# KiCad board Mainboard.kicad_pcb (continued)
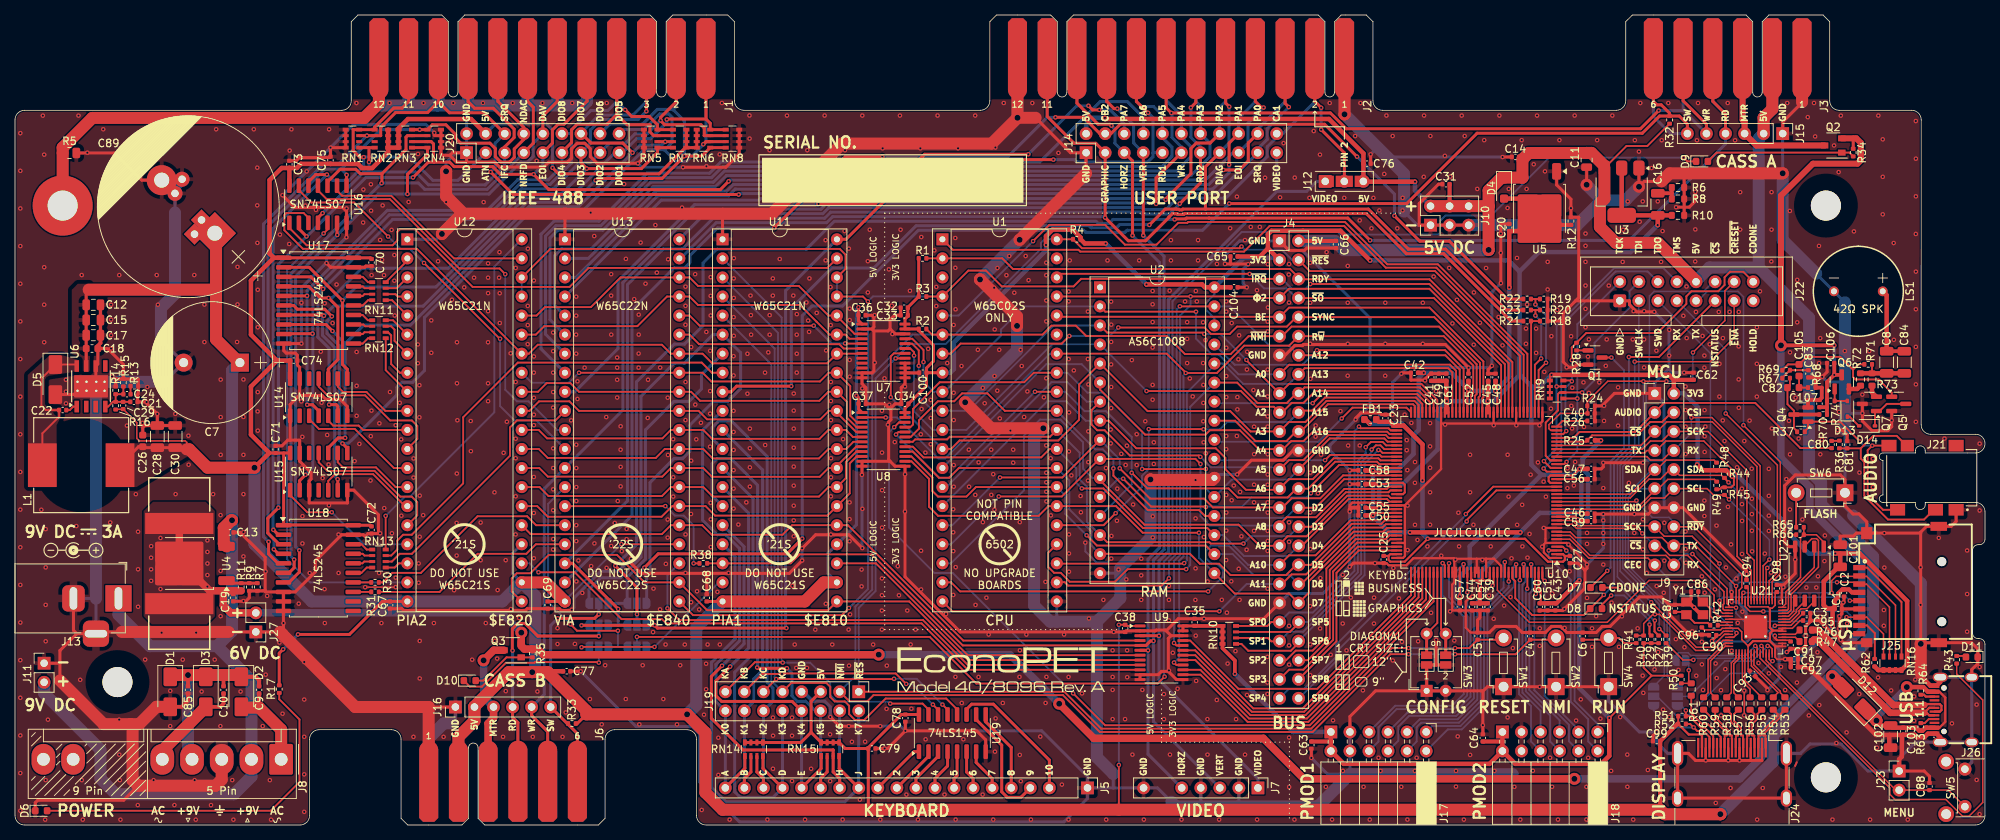
[diagram p0: board, top side]
## Routing (per net, layer and track width the routed paths; a pad name or vN(x,y) marks a point on that pad's centre or on a via; arc(x,y) is an arc through that point) (continued)
/CASS/CASS1_READ: length 142.3
  Top w0.4: v1(102.79,26.24) 85.61,26.24 v1(85.24,26.61) 85.23,26.6 v1(75.49,26.6) ; U11.40 110.72,78.05 121.35,88.67 v1(138.36,88.67) ; J2.8 149.43,96.43 150.94,94.92 v1(150.99,94.92)
  Bottom w0.4: U11.40 102.68,71.21 102.68,26.35 v1(102.79,26.24) ; v1(85.24,26.61) 85.22,26.63 JP3.1 ; JP4.3 75.52,26.63 v1(75.49,26.6) ; v1(150.99,94.92) 151.63,94.27 151.63,89.6 ; 151.63,89.6 J14.9 ; 151.63,89.6 151.63,89.06 151.09,88.52 151.09,88.52 150.94,88.37 150.88,88.37 150.86,88.35 141.47,88.35 141.47,88.36 141.46,88.36 141.15,88.67 v1(138.36,88.67)
/CASS/CASS2_READ: length 150.3
  Top w0.4: v1(155.2,82.81) 155.18,82.79 155.18,82.78 157.96,85.56 J14.13 ; v1(156.68,95.61) 157.35,96.29 J2.6 ; U13.18 74.3,34.87 v1(80.38,28.79)
  Bottom w0.4: v1(156.68,95.61) 156.68,91.65 157.96,90.36 J14.13 ; 80.33,26.63 JP3.3 ; 80.33,26.63 80.38,26.68 v1(80.38,28.79) ; 80.33,26.63 JP4.1 ; U13.18 81.61,43.2 81.61,72.01 86.38,76.78 88.94,76.78 93.03,80.87 107.89,80.87 108.69,81.67 149.96,81.67 150.21,81.42 153.81,81.42 v1(155.2,82.81)
/CASS/CASS_A_MOTOR: length 23.2
  Top w0.8: J3.3,C 230.2,93.96 230.46,93.7 J15.3 232.05,90.56 Q2.3
  Bottom w0.8: J15.3 230.46,93.7 230.2,93.96 230.2,97.52 230.2,97.52 J3.3,C
/CASS/CASS_A_READ: length 215.1
  Top w0.4: v1(154.52,80.71) 154.58,80.77 155.99,80.77 156.1,80.89 159.12,80.89 177.59,80.89 v1(180.56,77.92) ; v1(79.99,34.54) 82.88,31.65 v1(82.88,28.09) ; J15.4 227.92,94.75 226.24,96.44 J3.4,D
  Bottom w0.4: J3.4,D 226.24,96.44 227.92,94.75 J15.4 227.92,90.76 215.08,77.92 v1(180.56,77.92) ; v1(82.88,28.09) 82.87,28.09 JP3.2 ; v1(154.52,80.71) 146.31,80.71 145.79,80.19 144.31,80.19 144.04,80.46 109.18,80.46 105.45,76.73 93.52,76.73 91.69,74.9 91.69,66.55 89.23,64.09 87.84,64.09 82.81,59.06 82.81,37.36 v1(79.99,34.54)
/CASS/CASS_A_~{MOTOR}: length 204.3
  Top w0.25: v1(153.18,19.77) 152.27,18.86 128.09,18.86 121.88,25.07 v1(82.87,25.07) ; v1(222.34,88.94) 222.84,88.44 D9.1
  Bottom w0.25: v1(82.87,25.07) JP5.2 ; v1(222.34,88.94) 204.42,88.94 196.69,81.21 190.6,81.21 189.89,80.5 189.89,78.94 189.63,78.69 176.58,78.69 176.23,79.03 163.46,79.03 154.23,69.81 154.23,36.25 153.08,35.09 153.08,19.87 v1(153.18,19.77)
/CASS/CASS_A_~{SWITCH}: length 202.2
  Top w0.4: J15.6 222.84,93.4 221.76,94.48 R32.2 ; v1(161.8,82.82) 185.45,82.82 194.82,92.19 216.84,92.19 219.13,94.48 R32.2 ; J3.6,F 218.31,96.44 218.78,95.98 219.36,95.98 220.47,94.86 R32.2 ; v1(83.87,34.3) 85.71,36.14 102.88,36.14 v1(104.9,38.16)
  Bottom w0.4: J3.6,F 218.31,94.44 220.6,92.15 J15.6 ; v1(83.87,34.3) 82.87,33.31 JP1.2 ; v1(104.9,38.16) 104.9,67.86 106.2,69.16 110.28,69.16 120.38,79.26 142.41,79.26 142.68,78.99 147.92,78.99 148.19,79.27 158.24,79.27 v1(161.8,82.82)
/CASS/CASS_B_MOTOR: length 22.2
  Top w1: Q3.3 63.79,23.29 v2(62.44,21.94) ; J16.3 63.76,14.25 63.04,13.53 63.04,9.97 J6.3,C
  Bottom w1: J6.3,C 63.04,9.97 63.04,13.53 63.76,14.25 J16.3 62.44,17.05 v2(62.44,21.94)
/CASS/CASS_B_READ: length 36.5
  Top w0.4: J6.4,D 67.01,9.97 67.01,13.64 66.3,14.35 J16.4 ; v1(66.3,23.24) 66.27,23.27 66.27,26.14 67,26.87 67.97,26.87 69.66,25.18 77.78,25.18 v1(77.79,25.17)
  Bottom w0.4: JP4.2 v1(77.79,25.17) ; J6.4,D 67.01,13.64 66.3,14.35 J16.4 v1(66.3,23.24)
/CASS/CASS_B_~{MOTOR}: length 21.8
  Top w0.25: D10.1 60.61,18.44 62.22,18.44 65.4,21.62 69.22,21.62 69.31,21.71 77.72,21.71 v1(77.79,21.64)
  Bottom w0.25: JP6.2 v1(77.79,21.64)
/CASS/CASS_B_~{SWITCH}: length 33.9
  Top w0.4: v1(72.33,27.55) 72.34,27.54 77.24,27.54 v1(77.79,28.09) ; J6.6,F 74.94,12.17 73.7,13.41 R33.2 73.59,13.52 71.38,15.72 J16.6
  Bottom w0.4: JP2.2 77.79,28.09 v1(77.79,28.09) ; v1(72.33,27.55) 71.38,26.6 J16.6 71.38,15.72 74.94,12.17 J6.6,F
/CASS/CASS_WRITE: length 252.2
  Top w0.4: v1(152.05,82.77) 152.05,86.22 J14.11 ; J3.5,E 222.28,96.51 225.38,93.4 J15.5 ; v1(219.01,95.21) 216.59,92.79 177.38,92.79 175.28,94.89 154.09,94.89 v1(154.09,94.89) 153.39,95.59 J2.7 ; J6.5,E 70.97,12.45 68.84,14.59 J16.5
  Bottom w0.4: v1(152.05,82.77) 151.94,82.88 108.2,82.88 107.39,82.07 90.78,82.07 81,72.28 81,55.29 U13.13 70.52,44.81 70.52,17.4 J16.5 68.84,14.59 70.97,12.45 70.97,10.36 J6.5,E ; 222.28,95.26 222.23,95.21 v1(219.01,95.21) ; 222.28,95.26 J15.5 ; 222.28,95.26 J3.5,E ; J14.11 155.42,90.37 154.16,91.63 154.16,94.82 v1(154.09,94.89)
/CASS/~{CASS1_MOTOR}: length 24.4
  Top w0.25: v1(75.49,23.69) 75.54,23.74 v1(85.21,23.74)
  Bottom w0.25: v1(75.49,23.69) 75.51,23.71 JP6.3 ; U11.19 93.8,32.33 v1(85.21,23.74) 85.18,23.71 JP5.1
/CASS/~{CASS1_SWITCH}: length 90
  Bottom w0.4: JP2.3 76.49,31.41 78.04,32.95 80.67,32.95 83.41,35.69 83.41,57.14 87.81,61.54 89.19,61.54 93,65.35 U11.6 96.69,62.94 96.69,58.17 94.98,56.46 93.08,56.46 89.92,53.3 89.92,49.8 88.96,48.84 87.83,48.84 84.62,45.63 84.62,33.62 84.17,33.18 JP1.1
/CASS/~{CASS2_MOTOR}: length 31.8
  Top w0.25: v1(80.33,25.89) 74.88,25.89 v1(74.01,26.76)
  Bottom w0.25: v1(74.01,26.76) 71.04,29.72 71.04,42.8 U13.14 ; JP6.1 80.32,23.71 ; 80.32,23.71 JP5.3 ; 80.32,23.71 80.33,23.73 v1(80.33,25.89)
/CASS/~{CASS2_SWITCH}: length 42.2
  Bottom w0.4: JP2.1 JP1.3 81.57,33.01 84.01,35.44 84.01,52.66 87.81,56.46 89.8,56.46 91.47,58.12 91.47,60 U11.7
/CPU \ RAM/A0: length 96.3
  Top w0.25: J4.15 169.76,61.33 185.46,61.33 185.47,61.35 191.21,61.35 192.02,60.54 192.02,55.01 ; U2.2 145.28,68.41 v1(157.37,68.41) ; v1(121.06,61.69) 121.06,63.31 119.56,64.8 U7.21
  Bottom w0.25: v1(121.06,61.69) 121.06,59.07 122.39,57.74 U1.9 123.88,57.74 131.38,65.23 131.38,66.03 134.46,69.12 U2.2 ; J4.15 163.03,60.07 160.39,62.7 159.48,62.7 157.37,64.82 v1(157.37,68.41)
/CPU \ RAM/A1: length 89.8
  Top w0.25: v1(164.09,61.98) 164.09,61.94 J4.17 169.74,58.77 187.41,58.77 189.52,56.66 189.52,55.01 ; v1(158.48,65.44) 158.3,65.62 145.53,65.62 U2.3 ; v1(120.43,61.2) 120.43,63.25 119.53,64.15 U7.20
  Bottom w0.25: v1(158.48,65.44) 160.63,65.44 v1(164.09,61.98) ; U2.3 138.44,66.58 127.06,55.2 U1.10 122.33,55.2 120.43,57.1 v1(120.43,61.2)
/CPU \ RAM/A2: length 90.7
  Top w0.25: v1(119.8,62.56) 119.8,63 119.3,63.5 U7.19 ; 188.52,55.01 188.52,56.38 187.04,57.87 173.31,57.87 171.69,56.26 170.12,56.26 168.85,54.99 J4.19 167.74,55.74 165.44,55.74 163.35,57.83 v1(150.78,57.83)
  Bottom w0.25: v1(150.78,57.83) 150.78,57.84 U2.4 144.54,64.07 138.19,64.07 126.77,52.66 U1.11 122.27,52.66 119.78,55.15 119.78,62.54 v1(119.8,62.56)
/CPU \ RAM/A3: length 94.8
  Top w0.25: 187.02,55.01 187.02,55.98 186.48,56.52 174.76,56.52 171.95,53.71 169.76,53.71 J4.21 164.65,52.45 161.93,55.16 150.91,55.16 144.58,61.5 141.79,58.71 141.79,54.01 139.02,51.24 125.86,51.24 124.73,50.12 U1.12 ; U7.18 117.1,62.85 116.69,62.44 v1(116.69,57.01)
  Bottom w0.25: U1.12 116.69,57.01 v1(116.69,57.01)
/CPU \ RAM/A4: length 73.2
  Top w0.25: 184.1,52.09 183.16,52.09 182.84,52.42 172.95,52.42 171.71,51.17 170.06,51.17 168.8,49.91 J4.23 168.31,50.09 165.73,50.09 163.21,52.61 159.22,52.61 158.63,52.03 150.58,52.03 144.58,58.03 U2.6
  Bottom w0.25: U1.13 137.41,61.41 142.13,61.41 U2.6
/CPU \ RAM/A5: length 76.6
  Top w0.25: v1(157.95,49.06) 157.76,49.25 148.55,49.25 145.19,52.61 144.2,52.61 143.44,53.37 143.44,55.28 U2.7 ; 184.1,51.59 183.03,51.59 182.65,51.97 175,51.97 171.67,48.64 169.77,48.64 168.5,47.37
  Bottom w0.25: U2.7 142.82,56.42 140.21,59.02 138.1,59.02 124.12,45.04 U1.14 ; 168.5,47.37 168.19,47.67 159.35,47.67 157.96,49.06 v1(157.95,49.06)
/CPU \ RAM/A6: length 73.9
  Top w0.25: 184.1,48.59 181.94,48.59 181.67,48.87 175.71,48.87 172.94,46.1 169.77,46.1 J4.27 168.35,44.67 164.02,44.67 161.28,47.41 161.28,48.92 160,50.21 149.4,50.21 145.74,53.88 U2.8
  Bottom w0.25: U1.15 137.55,56.47 140.08,56.47 142.67,53.88 U2.8
/CPU \ RAM/A7: length 71.5
  Top w0.25: 184.1,46.59 176.97,46.59 173.92,43.54 170.11,43.54 168.85,42.29 J4.29 168.46,42.32 159.62,42.32 158.44,43.5 151.24,43.5 v1(147.21,47.53) ; v1(131.25,46.31) 139.55,46.31 U2.9
  Bottom w0.25: U2.9 147.21,48.71 v1(147.21,47.53) ; U1.16 124.89,39.96 v1(131.25,46.31)
/CPU \ RAM/A8: length 75.5
  Top w0.25: J4.31 168.5,40.07 169.45,41.02 173.38,41.02 177.15,44.79 182.79,44.79 183.09,45.09 184.1,45.09 ; v1(157.97,48.12) 157.29,48.8 U2.10 144.5,48.8 139.49,43.78 v1(131.09,43.78)
  Bottom w0.25: v1(157.97,48.12) 157.97,41.16 159.23,39.9 168.34,39.9 J4.31 ; v1(131.09,43.78) 124.72,37.42 U1.17
/CPU \ RAM/A9: length 85
  Top w0.25: U2.11 144.58,45.94 150.49,40.03 163.03,40.03 165.85,37.21 168.5,37.21 168.5,37.4 169.57,38.48 172.11,38.48 177.52,43.89 183,43.89 183.3,43.59 184.1,43.59
  Bottom w0.25: U1.18 124.72,34.88 134.43,44.58 134.43,51.88 136.58,54.03 139.3,54.03 142.32,51.01 142.32,47.49 143.55,46.26 U2.11
/CPU \ RAM/A10: length 72.9
  Top w0.25: v1(158.99,31.13) 125.94,31.13 124.73,32.34 U1.19 ; J4.35 169.77,35.94 173.3,35.94 177.95,40.59 181.88,40.59 182.38,41.09 184.1,41.09
  Bottom w0.25: v1(158.99,31.13) 160.94,33.09 160.94,34.03 160.14,34.83 159.42,34.83 158.69,35.56 158.69,36.57 159.35,37.23 161.76,37.23 164.32,34.67 J4.35
/CPU \ RAM/A11: length 65.9
  Top w0.25: 184.1,40.09 182.65,40.09 182.2,39.64 178.28,39.64 172.04,33.4 170.1,33.4 168.83,32.13 J4.37 ; v1(160.47,28.49) 124.89,28.49 U1.20
  Bottom w0.25: J4.37 164.11,32.13 v1(160.47,28.49)
/CPU \ RAM/A12: length 98.9
  Top w0.25: U2.31 155.23,69.12 v1(155.22,69.13) ; v1(153.76,32.87) 152.79,31.9 140.33,31.9 139.86,32.37 138.85,32.37 U1.22 ; 192.52,55.01 192.51,55.02 192.51,60.68 190.59,62.61 171.04,62.61
  Bottom w0.25: v1(155.22,69.13) 154.8,68.71 154.8,36.17 153.76,35.14 v1(153.76,32.87) ; 171.04,62.61 171.02,62.61 169.75,63.88 167.15,63.88 161.91,69.12 U2.31
/CPU \ RAM/A13: length 84.6
  Top w0.25: v1(155.79,34.9) 155.72,34.83 138.86,34.83 U1.23 ; 191.52,55.01 191.52,60.32 190.96,60.88 187.98,60.88 187.98,60.89 187.3,60.89 187.29,60.9 185.66,60.9 185.65,60.88 171.85,60.88 J4.16
  Bottom w0.25: v1(155.79,34.9) 156.15,35.26 156.15,57.62 160.03,61.5 ; J4.16 169.76,58.79 163.65,58.79 160.94,61.5 160.03,61.5 ; 160.03,61.5 159.82,61.5
/CPU \ RAM/A14: length 83.3
  Top w0.25: 189.02,55.01 189.02,56.52 187.22,58.32 171.83,58.32 J4.18 170.75,57.53 169.47,56.24 165.57,56.24 162.86,58.96 U2.27 ; U1.24 137.67,36.27 137.67,34.4 138.46,33.61 139.35,33.61 140.54,32.42 146.59,32.42 148.27,34.1 v1(156.06,34.1)
  Bottom w0.25: v1(156.06,34.1) 156.6,34.64 156.6,55.74 U2.27
/CPU \ RAM/A15: length 61.2
  Top w0.25: v1(151.07,52.76) 158.34,52.76 v1(158.37,52.74) ; 187.52,55.01 187.52,56.11 186.66,56.97 174.57,56.97 172.83,55.23 171.28,55.23 J4.20 ; v1(146.66,41.55) 145.06,39.96 U1.25
  Bottom w0.25: J4.20 169.77,53.72 161.54,53.72 160.56,52.74 v1(158.37,52.74) ; v1(151.07,52.76) 151.07,47.43 150.17,46.52 150.17,45.06 v1(146.66,41.55)
/CPU \ RAM/D0: length 84.4
  Top w0.25: v1(150.19,47.44) 158.68,47.44 v1(158.69,47.45) ; U8.21 119.3,53.02 119.66,53.37 119.66,55.44 123.22,59.01 134.48,59.01 135.75,60.28 U1.33 ; 184.1,51.09 182.89,51.09 182.46,51.52 175.19,51.52 171.04,47.37
  Bottom w0.25: U1.33 140.23,60.28 142.89,57.62 144.98,57.62 150.19,52.41 v1(150.19,47.44) ; v1(158.69,47.45) 158.69,44.85 U2.21 162.13,46.03 169.7,46.03 171.04,47.37
/CPU \ RAM/D1: length 93.5
  Top w0.25: v1(117.39,52.04) 117.72,52.37 U8.20 ; U1.32 v1(135.91,57.74) ; v1(148.8,46.94) 150.88,44.86 161.7,44.86 162.91,43.65 169.58,43.65 170.76,44.83 J4.28 172.32,44.83 175.92,48.42 181.48,48.42 181.81,48.09 184.1,48.09
  Bottom w0.25: v1(117.39,52.04) 123.18,46.25 124.42,46.25 v1(135.91,57.74) ; U2.13 148.8,45.4 v1(148.8,46.94) 148.8,51.73 145.38,55.15 142.54,55.15 139.95,57.74 U1.32
/CPU \ RAM/D2: length 78.8
  Top w0.25: U1.31 131.9,55.2 129.58,57.52 126.2,57.52 125.15,56.47 122.98,56.47 120.45,53.94 120.45,52.82 119.35,51.72 U8.19 ; J4.30 173.3,42.29 177.1,46.08 184.09,46.08 184.1,46.09 ; U2.20 158.57,41.18 157.78,41.97 150.94,41.97 146.36,46.55 v1(146.36,47.52)
  Bottom w0.25: U1.31 143.95,50.06 144.96,50.06 146.36,48.66 v1(146.36,47.52) ; U2.20 160.06,40.93 169.37,40.93 170.72,42.29 J4.30
/CPU \ RAM/D3: length 80.2
  Top w0.25: U2.14 145.52,37.69 159.15,37.69 159.33,37.5 v1(163.69,37.5) ; J4.32 172.74,39.75 177.33,44.34 183.01,44.34 183.26,44.59 184.1,44.59 ; U1.30 137.91,51.75 124.55,51.75 124.19,51.39 119.94,51.39 119.62,51.07 U8.18
  Bottom w0.25: v1(163.69,37.5) 164.67,38.49 169.78,38.49 J4.32 ; U1.30 141.87,49.61 141.87,46.05 142.83,45.09 142.83,40.39 U2.14
/CPU \ RAM/D4: length 76.9
  Top w0.25: U8.17 118.59,50.42 119.63,50.42 121.06,48.99 136.74,48.99 137.86,50.12 U1.29 ; 184.1,43.09 183.16,43.09 182.81,43.44 177.71,43.44 171.47,37.21 171.04,37.21 ; v1(142.15,44.85) 145.04,44.85 145.7,44.18 145.7,44.18 150.3,39.58 158.88,39.58 U2.19
  Bottom w0.25: U1.29 141.42,47.52 141.42,45.58 v1(142.15,44.85) ; 171.04,37.21 169.67,35.84 163.78,35.84 160.98,38.64 U2.19
/CPU \ RAM/D5: length 79.8
  Top w0.25: U8.16 118.59,49.77 119.62,49.77 123.11,46.28 124.48,46.28 125.77,47.58 U1.28 ; 144.58,36.1 144.62,36.14 156.56,36.14 157.88,34.82 160.45,34.82 161.96,33.31 169.37,33.31 170.73,34.67 J4.36 172.66,34.67 178.13,40.14 182.06,40.14 182.51,40.59 184.1,40.59
  Bottom w0.25: 144.58,36.1 143.45,37.22 143.45,39.11 140.49,42.07 140.49,45.91 U1.28
/CPU \ RAM/D6: length 79.2
  Top w0.25: J4.38 171.41,32.13 178.37,39.09 182.34,39.09 182.84,39.59 184.1,39.59 ; v1(142.8,38.61) 144.17,37.24 158.67,37.24 159.82,36.1 ; U1.27 128.04,45.04 126.78,43.77 122.99,43.77 122.24,44.52 122.24,46.32 119.44,49.12 U8.15
  Bottom w0.25: J4.38 169.86,33.31 165.04,33.31 162.25,36.1 159.82,36.1 ; U1.27 139.94,43.91 139.94,41.46 v1(142.8,38.61)
/CPU \ RAM/D7: length 83.4
  Top w0.25: U2.17 162.52,30.85 169.77,30.85 171.04,29.59 172.41,30.96 172.41,32.48 178.52,38.59 182.47,38.59 182.97,39.09 184.1,39.09 ; v1(157.76,38.95) 150.27,38.95 146.72,42.5 U1.26 137.69,42.5 136.4,41.21 122.99,41.21 121.79,42.41 121.79,46.13 119.45,48.47 U8.14
  Bottom w0.25: U2.17 157.76,35.62 v1(157.76,38.95)
/CPU \ RAM/RAM_A10: length 44.6
  Top w0.25: 184.1,47.59 181.67,47.59 181.3,47.97 176.43,47.97 v1(172.68,44.22) ; v1(158.68,42.38) 158.62,42.44 151.38,42.44 v1(147.67,46.15)
  Bottom w0.25: v1(172.68,44.22) 172.11,43.65 164.73,43.65 163.52,42.44 158.74,42.44 v1(158.68,42.38) ; U2.12 147.01,46.15 v1(147.67,46.15)
/CPU \ RAM/RAM_A11: length 24.7
  Top w0.25: 184.1,49.09 182.08,49.09 181.85,49.32 175.25,49.32 v1(174.57,48.63)
  Bottom w0.25: v1(174.57,48.63) 174.56,48.62 159.99,48.62 U2.23
/CPU \ RAM/RAM_A15: length 30.5
  Top w0.25: 188.02,55.01 188.02,56.25 186.85,57.42 174.12,57.42 v1(172.92,56.22)
  Bottom w0.25: v1(172.92,56.22) 160.02,56.22 U2.26
/CPU \ RAM/RAM_A16: length 30.8
  Top w0.25: 186.52,55.01 186.52,55.84 186.29,56.07 174.95,56.07 171.74,52.87 171.46,52.87 J4.22 170.7,52.45 169.43,51.17 165.28,51.17 162.58,53.88 U2.25
/CPU \ RAM/~{ML}: length 100.4
  Top w0.25: 201.52,55.01 201.52,62.79 189.59,74.72 182.85,74.72 177.22,80.36 159.34,80.36 156.32,80.36 156.21,80.25 155.02,80.25 152.11,77.34 147.91,77.34 145.26,79.98 137.83,79.98 v1(135.65,77.81)
  Bottom w0.25: U1.5 125.74,67.9 v1(135.65,77.81)
/CPU \ RAM/~{NMI}: length 244.9
  Top w0.25: R2.2 122.18,65.36 U1.6 136.92,65.36 138.11,66.54 141.37,66.54 142.75,65.17 153.48,65.17 155.89,62.76 161.99,62.76 164.37,65.15 J4.11 168.83,65.15 170.1,66.42 189.74,66.42 194.76,61.4 194.76,57.44 194.52,57.2 194.52,55.01 ; v1(185.69,22.76) 183.27,22.76 172.9,12.39 144.55,12.39 139.64,17.31 114.39,17.31 113.58,16.49 111.19,16.49 109.92,17.76 J19.3 ; v1(191.89,22.76) 191.9,22.75 199.95,22.75 C4.1 205.11,24.69 SW2.2
  Bottom w0.25: v1(191.89,22.76) v1(185.69,22.76) ; J19.3 111.98,19.85 111.98,29.12 114.22,31.36 114.22,59.99 119.59,65.36 U1.6
/CPU \ RAM/~{RAM_OE}: length 28.4
  Top w0.25: 186.02,55.01 185.41,55.62 178.23,55.62 v1(176.79,54.18)
  Bottom w0.25: v1(176.79,54.18) 173.69,51.08 160.07,51.08 U2.24
/CPU \ RAM/~{RAM_WE}: length 42
  Top w0.25: 193.02,55.01 193.02,60.81 190.55,63.28 v1(173.49,63.28)
  Bottom w0.25: U2.29 162.51,61.34 171.54,61.34 v1(173.49,63.28)
/CPU \ RAM/~{RES}: length 245
  Top w0.25: v1(117.34,62.19) 118.57,62.19 U7.17 ; v1(163.43,77.1) 163.2,76.87 142.16,76.87 R4.2 U1.40 ; v1(185.7,23.58) 183.45,23.58 172.71,12.84 144.74,12.84 139.82,17.76 J19.1 ; 200.52,55.01 200.52,62.52 189.22,73.82 172.52,73.82 J4.4 ; SW1.2 198.11,24.69 C5.1 193.78,23.58 v1(191.89,23.58)
  Bottom w0.25: U1.40 137.19,78.06 136.7,77.57 136.7,76.8 124,64.1 119.25,64.1 117.62,62.47 117.62,62.47 v1(117.34,62.19) 114.67,59.52 114.67,31.18 112.43,28.93 J19.1 ; v1(185.7,23.58) v1(191.89,23.58) ; v1(163.43,77.1) 163.87,76.66 168.82,76.66 170.17,75.31 J4.4
/CPU \ RAM/~{VP}: length 94.3
  Top w0.25: U1.1 124.97,76.66 141.7,76.66 141.94,76.42 163.77,76.42 167.17,79.82 177.12,79.82 182.67,74.27 189.4,74.27 201.02,62.66 201.02,55.01
/IEEE/ATN: length 96.9
  Top w0.4: v1(41.56,86.69) 40.07,86.69 39.1,85.71 U16.12 ; U18.2 35.08,38.68 v1(34.43,39.34) ; J1.11 52.45,96.41 51.59,95.55 50.46,95.55 47.92,93.01 47.92,92.67 45.06,92.67 45.06,92.67 45.06,89.86 45.92,89 v1(46.47,89)
  Bottom w0.4: v1(34.43,39.34) 34.39,39.37 34.39,79.52 v1(41.56,86.69) 42.32,85.92 44.52,85.92 46.47,87.87 v1(46.47,89) 46.52,89.05 52.54,89.05 55.67,85.92 59.04,85.92 J20.3
/IEEE/ATN_IN: length 49.3
  Top w0.25: RN13.8 49.39,36.72 v1(49.39,41.2)
  Bottom w0.25: v1(49.39,41.2) 51.95,43.76 52.62,43.76 63.87,55.01 63.87,74.4 U12.40
/IEEE/ATN_OUT: length 55.6
  Top w0.25: v1(64.64,64.8) 64.6,64.8 v1(54.5,74.9) ; U16.13 37.83,84.6 39.47,82.96 45.19,82.96 v1(49.72,78.43)
  Bottom w0.25: v1(54.5,74.9) 52.63,76.77 51.38,76.77 v1(49.72,78.43) ; v1(64.64,64.8) 64.64,55.82 66.54,53.92 69.47,53.92 U13.12
/IEEE/DAV: length 101.8
  Top w0.4: v1(37.89,36.59) 37.9,36.58 37.9,33.72 36.51,32.33 U18.7 ; J1.6 72.26,96.43 70.33,94.5 J20.10 ; v1(52.29,84.09) 52.29,86.7 54.96,89.37 RN4.8 RN3.1 ; v1(42.94,78.64) 42.91,78.67 U16.6
  Bottom w0.4: J20.10 69.05,90.85 69.05,89.08 68.32,88.35 67.42,88.35 63.16,84.09 v1(52.29,84.09) 48.39,84.09 v1(42.94,78.64) 37.39,73.09 37.39,37.09 v1(37.89,36.59)
/IEEE/DAV_IN: length 27.4
  Top w0.25: U13.17 69.41,37.41 68.14,36.14 61.65,36.14 56.57,31.06 R31.2
/IEEE/DAV_OUT: length 64.4
  Top w0.25: v1(41.12,78.84) 41.64,79.36 U16.5
  Bottom w0.25: U12.19 39.33,32.33 36.26,35.39 36.26,73.98 v1(41.12,78.84)
/IEEE/DIO1: length 86.6
  Top w0.4: v1(86.85,94.03) 86.9,94.08 92.08,94.08 ; 94.7,92.67 92.64,92.67 92.64,93.51 92.08,94.08 ; U14.8 44.28,60.74 43.63,61.39 v1(43.63,69.9) 39.2,74.32 U17.2 ; 92.08,94.08 J1.1
  Bottom w0.4: v1(43.63,69.9) 45.44,71.7 56.09,71.7 67.97,83.59 73.95,83.59 79.95,89.6 J20.17 80.95,89.6 82.82,91.46 84.69,91.46 86.85,93.62 v1(86.85,94.03)
/IEEE/DIO2: length 94.1
  Top w0.4: v1(41.05,71.43) 39.43,73.05 U17.3 ; v1(41.85,56.03) 42.79,56.03 43.01,55.81 U14.6 ; 94.7,91.87 91.84,91.87 91.84,91.88 91.84,92.89 91.4,93.33 86.56,93.33 86.03,93.86 v1(86.03,93.9) 86.03,94.3 88.11,96.39 J1.2
  Bottom w0.4: v1(41.85,56.03) 41.85,63.53 40.35,65.03 40.35,70.73 v1(41.05,71.43) 50.33,80.72 63.4,80.72 67.47,84.79 71.74,84.79 75.23,88.28 76.64,88.28 J20.15 79.23,90.87 81.37,90.87 82.6,92.1 84.23,92.1 v1(86.03,93.9)
/IEEE/DIO3: length 90.3
  Top w0.4: RN7.4 RN5.5 85.61,89.62 83.46,87.48 v1(76.19,87.48) 75.42,88.25 J20.13 ; v1(84.13,95.12) 84.15,95.14 J1.3 ; U17.4 39.13,71.78 40.67,70.24 v1(41.79,70.24) 43.02,69.01 43.02,62.03 41.74,60.74 U14.10
  Bottom w0.4: v1(84.13,95.12) 83.02,94.01 78.06,94.01 76.67,92.62 76.67,90.85 J20.13 ; v1(41.79,70.24) 42.24,70.24 46.2,74.2 57.73,74.2 67.72,84.19 72.9,84.19 v1(76.19,87.48)
/IEEE/DIO4: length 86.4
  Top w0.4: 87.67,91.87 85.1,91.87 84.61,92.37 84.61,93.32 81.56,93.32 80.19,94.7 ; U14.4 40.47,55.19 39.65,56 v1(38.94,56) ; 80.19,94.7 80.19,97.75 J1.4 ; 80.19,94.7 78.9,93.41 78.9,93.39 74.9,93.39 74.17,92.66 74.17,90.96 72.88,89.67 J20.11 ; v1(38.92,70.52) 38.91,70.51 U17.5
  Bottom w0.4: v1(38.94,56) 38.92,56.02 v1(38.92,70.52) 38.92,71.22 49.62,81.92 62.9,81.92 66.98,85.99 71.07,85.99 72.88,87.79 J20.11
/IEEE/DIO5: length 122
  Top w0.4: RN8.7 92.07,91.07 ; 92.07,91.07 RN6.2 ; 92.07,91.07 v1(91.72,90.72) ; v1(43.64,50.84) 44.28,50.2 U15.8 ; v1(42.22,67.79) 41.27,68.74 37.63,68.74 37.13,69.24 U17.6
  Bottom w0.4: 92.08,91.08 J1.A ; 92.08,91.08 v1(91.72,90.72) ; 92.08,91.08 92.08,91.04 89.48,88.44 88.05,88.44 86.49,90 ; J20.18 81.06,92.71 83.84,92.71 85.91,94.77 87.1,94.77 87.56,94.31 87.56,90.98 86.58,90 86.49,90 ; 86.49,90 83.81,90 75.61,81.79 68.72,81.79 54.56,67.63 54.56,60.57 52.99,59 51.56,59 50.88,58.32 50.88,57.32 44.41,50.84 v1(43.64,50.84) 43.21,51.27 43.21,63.87 41.58,65.5 41.58,67.15 v1(42.22,67.79)
/IEEE/DIO6: length 113.1
  Top w0.4: v1(77.38,85.93) 77.62,86.16 86.21,86.16 v1(89.19,89.14) 91.51,89.14 RN6.1 RN8.8 ; v1(41.16,67.86) 41.05,67.97 U17.7 ; U15.6 43.01,46.07 v1(42.99,46.09)
  Bottom w0.4: v1(42.99,46.09) 42.61,46.47 42.61,63.62 40.98,65.25 40.98,67.68 v1(41.16,67.86) 42.45,69.15 54.38,69.15 68.22,82.99 74.45,82.99 v1(77.38,85.93) ; v1(89.19,89.14) 89.19,93.83 87.69,95.33 ; 87.69,95.33 87.65,95.37 85.59,95.37 83.61,93.39 79.21,93.39 J20.16 ; 87.69,95.33 88.11,95.76 J1.B
/IEEE/DIO7: length 101.2
  Top w0.4: v1(42.31,65.83) 41.44,66.7 U17.8 ; U15.10 41.74,50.26 43.07,51.59 v1(43.99,51.59) ; RN7.3 86.65,91.07 v1(86.64,91.06) 86.62,91.07 RN5.6 ; J20.14 75.49,92.14 76.74,90.89 80.98,90.89 v1(82.28,89.59)
  Bottom w0.4: 43.99,64.15 v1(43.99,51.59) ; 43.99,64.15 46.46,66.62 52.7,66.62 53.48,67.4 53.48,67.4 68.47,82.39 75.08,82.39 v1(82.28,89.59) 83.3,90.61 86.19,90.61 v1(86.64,91.06) ; 43.99,64.15 42.31,65.83 v1(42.31,65.83) ; J20.14 75.42,92.22 77.8,94.61 82.32,94.61 84.15,96.44 J1.C
/IEEE/DIO8: length 96.9
  Top w0.4: v1(38.7,46.67) 37.93,45.9 U15.2 ; v1(81.3,95.31) 82.19,94.42 84.51,94.42 85.61,93.32 85.61,92.67 87.67,92.67 ; U17.9 35.86,65.47 v1(39.64,65.47)
  Bottom w0.4: 74.13,92.14 74.13,88.2 71.32,85.39 67.23,85.39 63.15,81.32 49.86,81.32 39.68,71.13 39.68,65.47 ; 74.13,92.14 74.13,92.62 76.73,95.22 78.99,95.22 80.19,96.42 ; 74.13,92.14 J20.12 ; J1.D 80.19,96.42 ; 80.19,96.42 v1(81.3,95.31) ; v1(38.7,46.67) 39.68,47.65 39.68,65.47 ; 39.68,65.47 v1(39.64,65.47)
/IEEE/DIO_IN1: length 4.4
  Top w0.25: U12.2 52.28,75.22 RN11.8
/IEEE/DIO_IN2: length 3.5
  Top w0.25: RN11.7 50.85,71.54 52.28,72.97 U12.3
/IEEE/DIO_IN3: length 3
  Top w0.25: U12.4 50.99,70.43 50.69,70.74 RN11.6
/IEEE/DIO_IN4: length 3.7
  Top w0.25: RN11.5 50.24,69.94 52.28,67.9 U12.5
/IEEE/DIO_IN5: length 3.7
  Top w0.25: RN12.8 50.36,67.27 52.28,65.35 U12.6
/IEEE/DIO_IN6: length 5.3
  Top w0.25: U12.7 50.57,64.52 50.57,66.02 50.12,66.47 RN12.7
/IEEE/DIO_IN7: length 7.4
  Top w0.25: U12.8 51.29,60.27 50.12,61.44 50.12,65.26 49.71,65.67 RN12.6
/IEEE/DIO_IN8: length 8.3
  Top w0.25: U12.9 49.4,60.61 RN12.5
/IEEE/DIO_OUT1: length 11.7
  Top w0.25: U14.9 43.01,58.42 43.72,57.71 46.83,57.71 49.35,55.19 U12.10
/IEEE/DIO_OUT2: length 11.7
  Top w0.25: U14.5 41.74,53.89 42.4,53.23 45.8,53.23 46.38,52.65 U12.11
/IEEE/DIO_OUT3: length 20
  Top w0.25: U12.12 53.61,51.44 53.61,53.19 52.89,53.91 49.99,53.91 46.64,57.26 41.64,57.26 40.47,58.43 U14.11
/IEEE/DIO_OUT4: length 16.2
  Top w0.25: U12.13 50.49,47.57 45.28,52.78 40.5,52.78 39.2,54.08 U14.3
/IEEE/DIO_OUT5: length 11.9
  Top w0.25: U12.14 50.73,45.03 48.1,47.66 43.69,47.66 43.01,48.34 U15.9
/IEEE/DIO_OUT6: length 13.9
  Top w0.25: U12.15 51.98,42.49 47.72,46.75 42.64,46.75 41.74,45.85 U15.5
/IEEE/DIO_OUT7: length 20.2
  Top w0.25: U15.11 40.47,48.34 41.61,47.2 47.91,47.2 51.34,43.76 52.87,43.76 53.6,43.03 53.6,41.27 U12.16
/IEEE/DIO_OUT8: length 19
  Top w0.25: v1(42.21,41.68) 38.94,41.68 36.66,43.96 U15.1
  Bottom w0.25: v1(42.21,41.68) 46.48,37.41 U12.17
/IEEE/EOI: length 209
  Top w0.4: v1(38.84,78.44) 37.83,79.45 U16.2 ; U18.3 35.2,37.41 33.68,38.93 33.68,40.87 v1(35.1,42.28) ; v1(95.09,85.78) 93.99,84.68 71.14,84.68 v1(69.1,86.72) 64.67,86.72 63.65,87.74 58.51,87.74 57.91,88.34 55.83,88.34 ; 55.83,88.34 55.08,88.34 v1(53.03,86.3) ; 55.83,88.34 55.76,88.41 55.76,90.77 55.46,91.07 RN4.7 RN3.2 ; J2.4 165.28,96.43 166.09,95.62 v1(166.37,95.62) ; J20.9 71.61,90.87 71.61,92.64 72.36,93.39 73.15,93.39 76.23,96.47 J1.5
  Bottom w0.4: v1(35.1,42.28) 35.1,74.7 v1(38.84,78.44) 38.89,78.44 46.74,86.3 v1(53.03,86.3) ; v1(166.37,95.62) 164.31,93.57 164.31,90.87 J14.17 162.28,89.6 158.63,85.95 95.25,85.95 v1(95.09,85.78) ; v1(69.1,86.72) 70.33,87.96 J20.9
/IEEE/EOI_IN: length 61.9
  Top w0.25: U11.8 92.86,60.27 91.51,61.62 66.99,61.62 59.72,54.34 59.72,45.53 52.87,38.68 51.71,38.68 50.94,37.91 50.94,36.72 50.12,35.91 RN13.7
/IEEE/EOI_OUT: length 80.9
  Top w0.25: U11.39 108.25,74.24 76.43,74.24 73.9,71.71 60.97,71.71 53.29,79.39 51.29,79.39 50.94,79.04 50.94,77.89 50.31,77.26 38.87,77.26 36.56,79.57 U16.1
/IEEE/IFC: length 49.8
  Top w0.4: J1.9 60.38,96.39 61.25,95.52 63.73,95.52 66.51,92.74 66.51,91.62 65.26,90.37 J20.5 ; RN1.5 47.12,90.27 ; 47.12,90.27 RN2.4 ; 47.12,90.27 47.17,90.23 v1(47.17,88.35) ; v1(40.99,81.54) 40.37,80.92 U16.4
  Bottom w0.4: 47.05,87.03 47.17,87.15 v1(47.17,88.35) ; 47.05,87.03 53.37,87.03 55.08,85.32 62.66,85.32 65.26,87.92 J20.5 ; 47.05,87.03 46.48,87.03 v1(40.99,81.54)
/IEEE/IFC_OUT: length 92.1
  Top w0.25: U7.7 112.83,62.81 U11.34 108.24,61.53 92.9,61.53 91.62,62.81 U13.34 87.39,62.81 86.2,64 69.65,64 68.46,62.81 U12.34 53.54,76.79 38.36,76.79 35.89,79.27 35.89,81.29 36.16,81.56 38.46,81.56 39.1,80.92 U16.3